# Allegro board reComputer J202_V1.0.brd (continued)
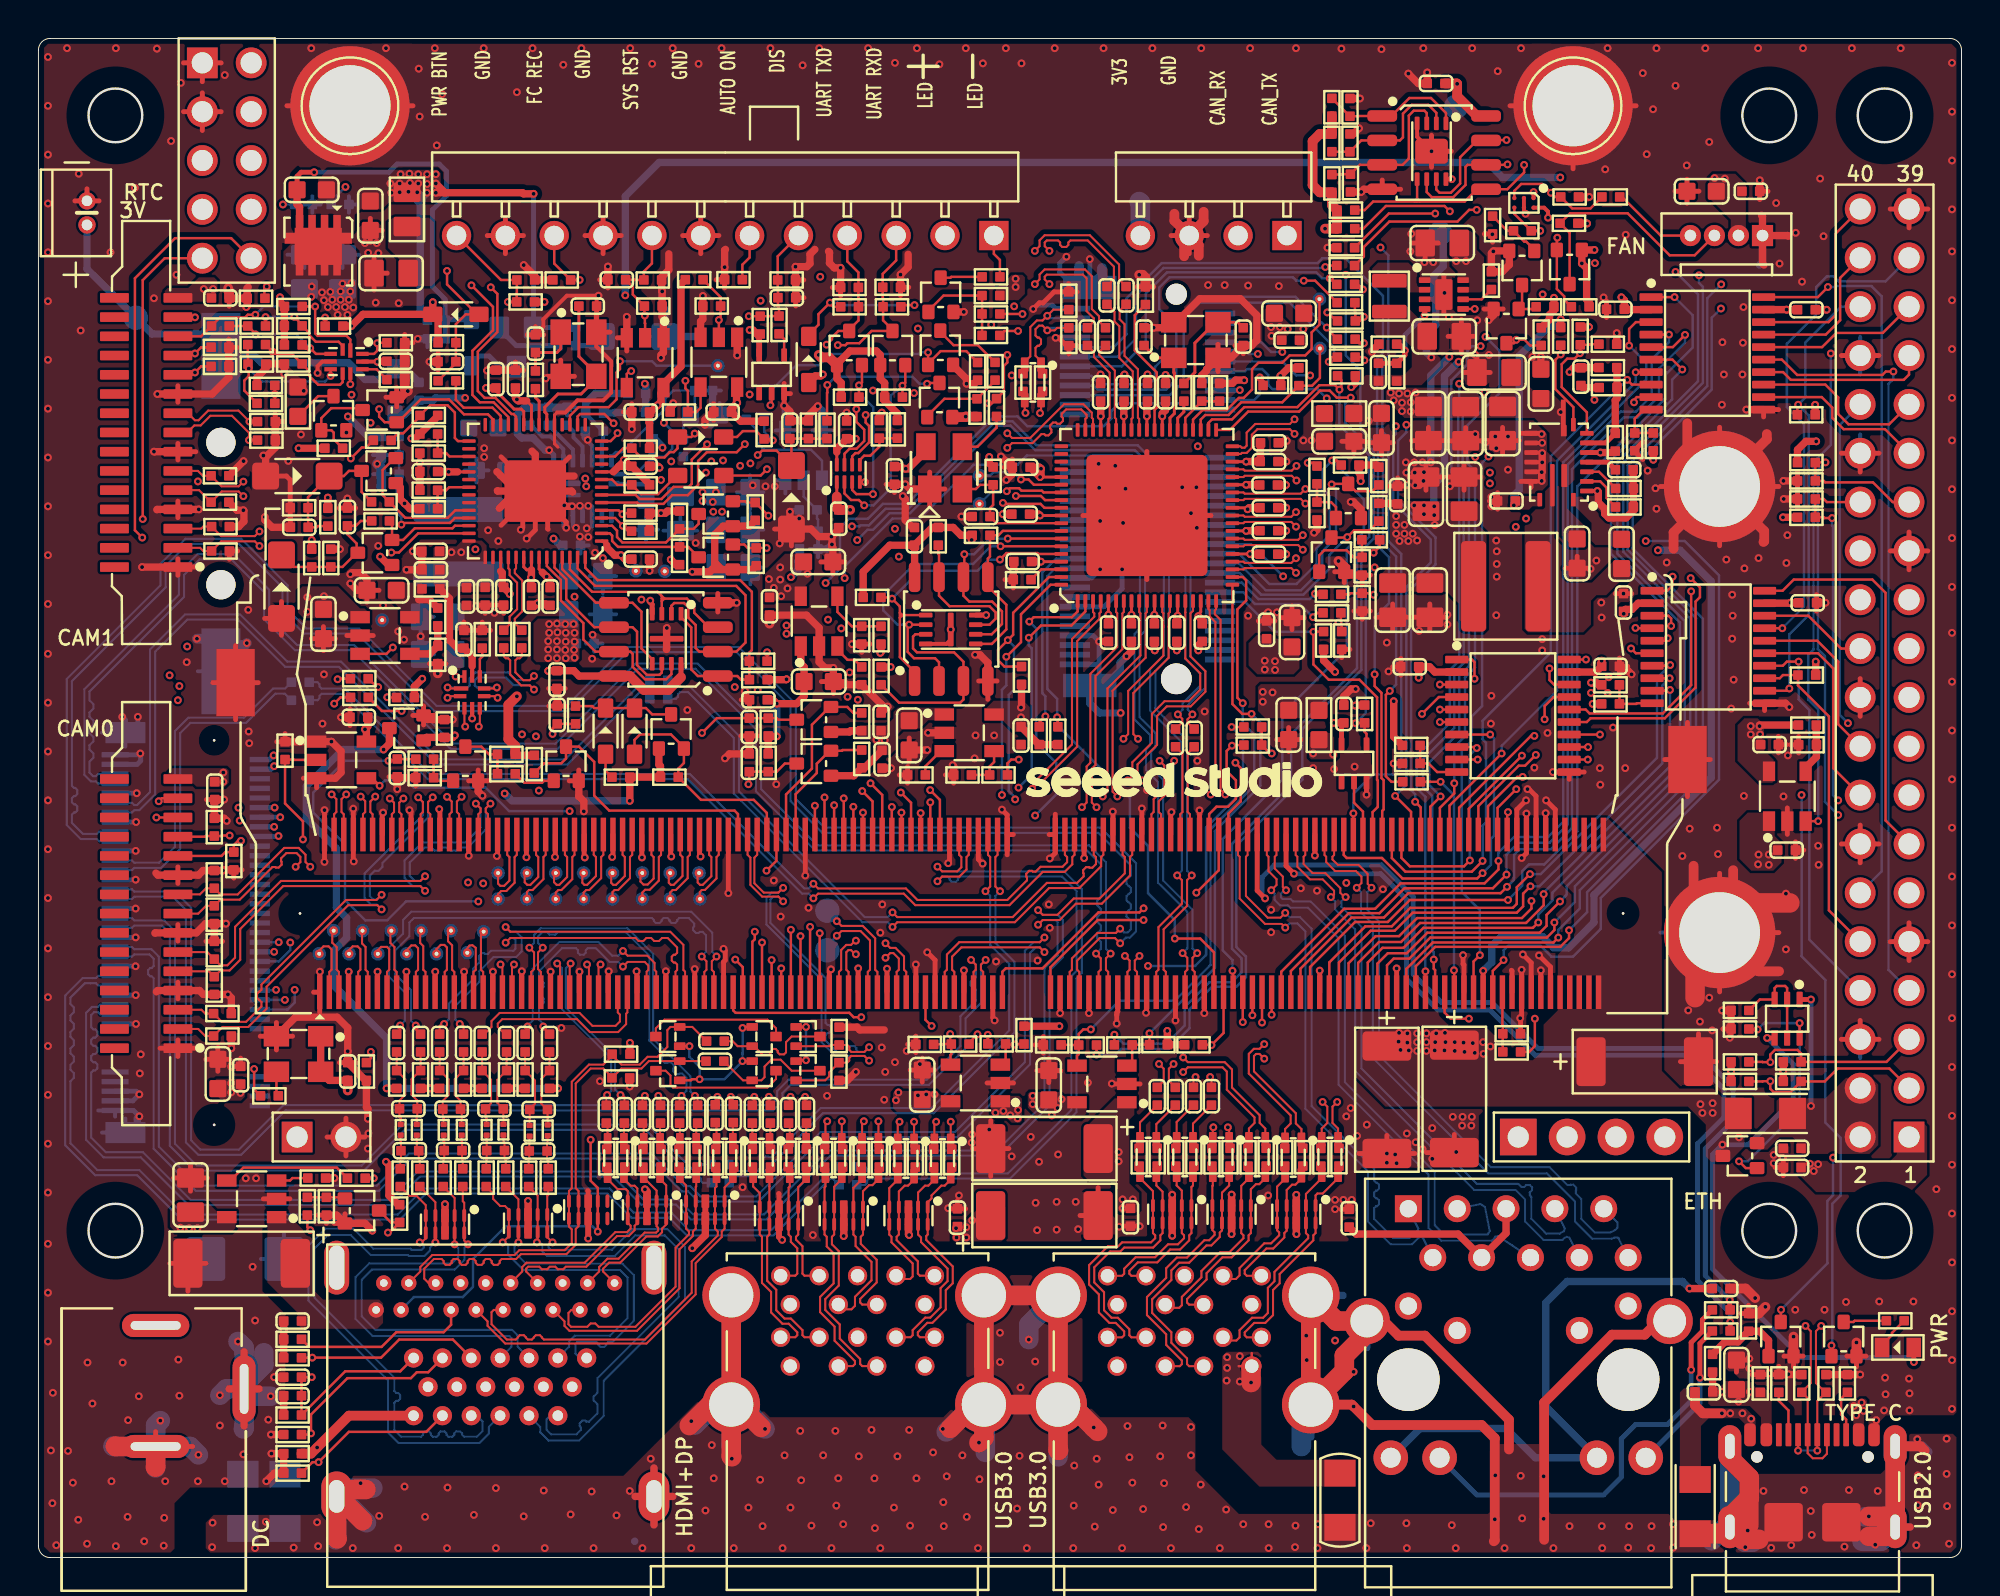
[diagram p0: board, top side]
## Routing (per net, layer and track width the routed paths; a pad name or vN(x,y) marks a point on that pad's centre or on a via; arc(x,y) is an arc through that point) (continued)
  TOP w0.508: 85.03,52.46 85.03,53.31 MH4.1 ; C3.2 86.14,7.91 86.55,7.5 v1(87.54,7.5) ; 90.51,30.49 89.43,30.49 MH3.1 86.07,33.85 86.07,35.97 ; 60.59,69.98 60.59,69.5 J16.3 ; 88.12,33.2 88.12,35.75 ; 59.07,69.88 59.07,69.52 J16.3 ; v1(89.27,13.49) 88.77,13.99 C7.2 ; R200.2 C146.2 R186.2 19.05,60.81 19.19,60.66 v1(19.21,60.66) ; J16.3 59.58,68.49 59.58,67.67 ; J16.3 60.34,68.25 60.34,67.7 ; R225.2 57.56,66.56 57.42,66.71 v1(57.24,66.71) ; Q1.2 v1(91.26,11.49) ; Q19.2 67.9,51.52 v1(67.6,51.82) ; MH4.1 85.74,57.38 85.74,58.99 ; MH4.1 89.88,58.16 89.88,58.43 ; MH4.1 89.74,53.38 89.74,52.85 89.7,52.81 ; R118.2 v1(20.76,45.98) ; v1(9.87,66.02) 9.87,65.89 9.92,65.84 C158.2 ; Q2.2 v1(94.54,11.18) ; R7.2 89.46,12.69 v1(89.8,13.04) ; C89.2 v1(38.02,48.57)
  TOP w1.016: 86.14,29.12 86.14,31.22 MH3.1 88.96,34.04 91.07,34.04 ; 4,5.8 4.02,5.77 J2.2 6.09,4.72 6.08,4.71 ; J3.4 63.05,9.91 v1(63.05,9.1)
  GND02 w0.381: 3.62,70.49 3.56,70.55 J14.1 ; 2.55,71.43 2.52,71.4 J14.1 ; J14.1 1.75,70.55 1.66,70.47
  GND02 w0.508: J13.1 90.38,68.75 ; J13.1 89.65,68.02 ; J13.1 89.65,69.48 ; 17.96,13.7 J5.B19 ; J5.B19 18.54,14.28 ; J5.B19 17.96,14.86 ; J5.B19 17.38,14.28 ; 25.58,8.88 J5.A5 ; J5.A5 26.94,8.88 ; J5.A5 26.26,8.2 ; J5.A5 26.26,9.56 ; J10.20 94.73,45.71 ; J10.20 93.75,44.73 ; J10.20 95.71,44.73 ; J10.20 94.73,43.75 ; 97.27,51.37 J10.25 ; J10.25 97.27,53.33 ; J10.25 98.25,52.35 ; J10.25 96.29,52.35 ; J17.3 9.5,75.19 ; J17.3 8.52,74.21 ; J17.3 7.54,75.19 ; J17.3 8.52,76.17 ; 59.59,13.97 J3.16 ; J3.16 58.91,14.65 ; J3.16 59.59,15.33 ; J3.16 60.27,14.65 ; 45.42,13.16 J4.13 ; J4.13 46.77,13.16 ; J4.13 46.09,13.84 ; J4.13 46.09,12.48 ; 6.09,5 J2.2 ; J2.2 4.17,5.77 ; J2.2 6.09,6.55 ; J2.2 8.02,5.77 ; J16.3 60.78,68.75 ; J16.3 59.84,69.69 ; J16.3 58.9,68.75 ; J16.3 59.84,67.81 ; 33.5,68.75 J15.7 ; J15.7 35.38,68.75 ; J15.7 34.44,69.69 ; J15.7 34.44,67.81 ; J17.1 9.5,77.73 ; J17.1 8.52,76.75 ; J17.1 7.54,77.73 ; J5.B11 23.26,14.86 ; J5.B11 23.84,14.28 ; J5.B11 23.26,13.7 ; J5.B11 22.68,14.28 ; 26.68,14.28 J5.B5 ; J5.B5 27.26,14.86 ; J5.B5 27.84,14.28 ; J5.B5 27.26,13.7 ; 84.34,55.7 MH4.1 ; MH4.1 87.42,58.78 ; MH4.1 87.42,52.62 ; MH4.1 90.5,55.7 ; 28.88,12.88 J5.B2 ; J5.B2 30.04,12.88 ; J5.B2 29.46,12.3 ; J5.B2 29.46,13.46 ; J3.13 63.77,13.15 ; J3.13 63.09,13.83 ; J3.13 63.09,12.47 ; J3.13 62.41,13.15 ; J10.39 97.27,71.11 ; J10.39 97.27,69.15 ; J10.39 96.29,70.13 ; J10.39 98.25,70.13 ; J10.6 94.73,27.93 ; J10.6 94.73,25.97 ; J10.6 93.75,26.95 ; J10.6 95.71,26.95 ; 84.34,32.5 MH3.1 ; MH3.1 90.5,32.5 ; MH3.1 87.42,35.58 ; MH3.1 87.42,29.42 ; 27.76,8.2 J5.A2 ; J5.A2 27.08,8.88 ; J5.A2 28.44,8.88 ; J5.A2 27.76,9.56 ; J4.7 42.59,12.14 ; J4.7 41.92,11.46 ; J4.7 43.27,11.46 ; J4.7 42.59,10.78 ; J10.9 98.25,32.03 ; J10.9 97.27,33.01 ; J10.9 96.29,32.03 ; J10.9 97.27,31.05 ; 16.2,72.22 MH1.1 ; MH1.1 19.48,75.5 ; MH1.1 12.92,75.5 ; 24.88,12.88 J5.B8 ; J5.B8 25.46,12.3 ; J5.B8 25.46,13.46 ; J5.B8 26.04,12.88 ; 94.73,36.13 J10.14 ; J10.14 94.73,38.09 ; J10.14 93.75,37.11 ; J10.14 95.71,37.11 ; 29.36,67.81 J15.9 ; J15.9 29.36,69.69 ; J15.9 30.3,68.75 ; J15.9 28.42,68.75 ; J3.7 60.27,11.45 ; J3.7 59.59,10.77 ; J3.7 59.59,12.13 ; J3.7 58.91,11.45 ; J10.34 95.71,62.51 ; J10.34 94.73,63.49 ; J10.34 94.73,61.53 ; 20.26,8.2 J5.A17 ; J5.A17 20.26,9.56 ; J5.A17 20.94,8.88 ; J5.A17 19.58,8.88 ; 79.8,72.22 MH2.1 ; MH2.1 83.08,75.5 ; MH2.1 76.52,75.5 ; J7.2 15.99,22.85 ; J7.2 15.99,20.89 ; J7.2 15.01,21.87 ; J7.2 16.97,21.87 ; J5.A8 24.76,9.56 ; J5.A8 25.44,8.88 ; J5.A8 24.76,8.2 ; J5.A8 24.08,8.88 ; 9.91,8.77 J2.3 ; J2.3 10.69,6.84 ; J2.3 11.47,8.77 ; J2.3 10.69,10.7 ; J15.11 24.28,69.69 ; J15.11 23.34,68.75 ; J15.11 25.22,68.75 ; J15.11 24.28,67.81 ; 45.42,9.96 J4.4 ; J4.4 46.09,9.28 ; J4.4 46.09,10.64 ; J4.4 46.77,9.96 ; J10.30 94.73,58.41 ; J10.30 93.75,57.43 ; J10.30 95.71,57.43 ; J10.30 94.73,56.45 ; 19.58,12.88 J5.B16 ; J5.B16 20.16,12.3 ; J5.B16 20.16,13.46 ; J5.B16 20.74,12.88 ; J4.16 42.59,15.34 ; J4.16 42.59,13.98 ; J4.16 41.92,14.66 ; J4.16 43.27,14.66 ; J5.A11 23.94,8.88 ; J5.A11 23.26,8.2 ; J5.A11 22.58,8.88 ; J5.A11 23.26,9.56 ; J3.4 63.09,10.63 ; J3.4 62.41,9.95 ; J3.4 63.77,9.95 ; J3.4 63.09,9.27
  LAY3 w0.127: J7.2 16.97,21.87 ; J7.2 15.01,21.87 ; J7.2 15.99,22.85 ; J7.2 15.99,20.89 ; 59.84,67.81 J16.3 ; J16.3 60.78,68.75 ; J16.3 58.9,68.75
  LAY3 w0.381: MH3.1 87.42,35.58 ; MH3.1 84.34,32.5 ; MH3.1 87.42,29.42 ; MH3.1 90.5,32.5 ; J10.6 94.73,27.93 ; J10.6 94.73,25.97 ; J10.6 95.71,26.95 ; J10.6 93.75,26.95 ; 8.52,74.21 J17.3 ; J17.3 8.52,76.17 ; J17.3 7.54,75.19 ; J17.3 9.5,75.19 ; 6.09,5 J2.2 ; J2.2 8.02,5.77 ; J2.2 4.17,5.77 ; J2.2 6.09,6.55 ; 7.54,77.73 J17.1 ; J17.1 8.52,76.75 ; J17.1 9.5,77.73 ; 94.73,36.13 J10.14 ; J10.14 93.75,37.11 ; J10.14 94.73,38.09 ; J10.14 95.71,37.11 ; 87.42,52.62 MH4.1 84.34,55.7 ; 19.48,75.5 MH1.1 12.92,75.5 ; MH2.1 83.08,75.5 ; MH2.1 76.52,75.5 ; MH2.1 79.8,72.22 ; 9.91,8.77 J2.3 ; J2.3 10.69,6.84 ; J2.3 11.47,8.77 ; J10.25 98.25,52.35 ; J10.25 97.27,53.33 ; J10.25 97.27,51.37 ; J10.39 98.25,70.13 ; J10.39 97.27,71.11 ; J10.39 97.27,69.15 ; J10.39 96.29,70.13 ; 97.27,31.05 J10.9 ; J10.9 96.29,32.03 ; J10.9 97.27,33.01 ; J10.9 98.25,32.03 ; 89.65,69.48 J13.1 90.38,68.75
  LAY3 w1.016: 86.07,52.08 86.07,54.35 MH4.1 89.17,53.95 89.17,52.59
  LAY4 w0.381: v1(76.42,56.57) 77.52,55.47 v1(81.06,55.47) ; v1(26.56,57.59) 26.53,57.59 26.12,57.18 26.12,52.92 26.57,52.47 27.77,52.47 28.16,52.85 ; v1(73.37,62.44) 73.33,62.4 73.33,61.97 73.63,61.67 73.99,61.67 74.52,61.13 80.01,61.13 81.01,62.14 83.26,62.14 83.78,61.62 83.78,59.32 81.93,57.47 v1(81.22,57.47) ; v1(28.16,53.09) 28.16,52.85 ; 28.16,52.85 28.37,52.85 v1(28.59,53.07)
  LAY4 w0.508: 8.52,76.7 J17.1 ; J17.1 7.49,77.73 ; J17.1 9.55,77.73 ; MH4.1 87.42,58.83 ; MH4.1 90.55,55.7 ; MH4.1 87.42,52.57 ; MH4.1 84.29,55.7 ; 93.7,26.95 J10.6 ; J10.6 94.73,27.98 ; J10.6 95.76,26.95 ; J10.6 94.73,25.92 ; 6.09,4.95 J2.2 ; J2.2 4.11,5.77 ; J2.2 8.07,5.77 ; J2.2 6.09,6.6 ; 97.27,51.32 J10.25 ; J10.25 98.3,52.35 ; J10.25 97.27,53.38 ; J10.25 96.24,52.35 ; J15.11 24.28,69.74 ; J15.11 25.27,68.75 ; J15.11 24.28,67.76 ; J15.11 23.29,68.75 ; 89.65,67.97 J13.1 ; J13.1 89.65,69.53 ; J13.1 90.43,68.75 ; J17.3 9.55,75.19 ; J17.3 8.52,76.22 ; J17.3 8.52,74.16 ; J17.3 7.49,75.19 ; 93.7,57.43 J10.30 ; J10.30 94.73,58.46 ; J10.30 95.76,57.43 ; J10.30 94.73,56.4 ; 10.69,6.79 J2.3 ; J2.3 11.52,8.77 ; J2.3 10.69,10.75 ; J2.3 9.86,8.77 ; 33.45,68.75 J15.7 ; J15.7 35.43,68.75 ; J15.7 34.44,69.74 ; J10.9 97.27,33.06 ; J10.9 97.27,31 ; J10.9 98.3,32.03 ; J10.9 96.24,32.03 ; 58.85,68.75 J16.3 60.83,68.75 ; J15.9 30.35,68.75 ; J15.9 28.37,68.75 ; J15.9 29.36,69.74 ; 15.99,20.84 J7.2 ; J7.2 15.99,22.9 ; J7.2 17.02,21.87 ; J7.2 14.96,21.87 ; 94.73,43.7 J10.20 ; J10.20 93.7,44.73 ; J10.20 95.76,44.73 ; 97.27,69.1 J10.39 ; J10.39 96.24,70.13 ; J10.39 98.3,70.13 ; J10.39 97.27,71.16 ; J10.14 94.73,38.14 ; J10.14 94.73,36.08 ; J10.14 93.7,37.11 ; 79.8,72.17 MH2.1 ; MH2.1 83.13,75.5 ; MH2.1 76.47,75.5 ; 16.2,72.17 MH1.1 ; MH1.1 12.87,75.5 ; MH1.1 19.53,75.5 ; 1.84,70.55 J14.1 ; J14.1 2.52,71.23 ; J14.1 3.2,70.55 ; 87.42,29.37 MH3.1 ; MH3.1 84.29,32.5 ; MH3.1 90.55,32.5 ; MH3.1 87.42,35.63 ; J10.34 94.73,63.54 ; J10.34 95.76,62.51 ; J10.34 94.73,61.48
  PWR05 w0.127: 63.09,9.27 J3.4 ; J3.4 62.41,9.95 ; J3.4 63.09,10.63 ; J3.4 63.77,9.95 ; 59.59,13.97 J3.16 ; J3.16 60.27,14.65 ; J3.16 58.91,14.65 ; J3.16 59.59,15.33 ; J4.16 43.27,14.66 ; J4.16 42.59,15.34 ; J4.16 42.59,13.98 ; J4.16 41.92,14.66 ; 17.96,13.7 J5.B19 ; J5.B19 18.54,14.28 ; J5.B19 17.96,14.86 ; J5.B19 17.38,14.28 ; 20.26,8.2 J5.A17 ; J5.A17 20.94,8.88 ; J5.A17 19.58,8.88 ; J5.A17 20.26,9.56 ; J5.A5 26.26,9.56 ; J5.A5 26.26,8.2 ; J5.A5 25.58,8.88 ; J5.A5 26.94,8.88 ; J4.7 43.27,11.46 ; J4.7 42.59,10.78 ; J4.7 42.59,12.14 ; J4.7 41.92,11.46 ; J5.B5 27.26,14.86 ; J5.B5 27.26,13.7 ; J5.B5 27.84,14.28 ; J5.B5 26.68,14.28 ; 29.46,12.3 J5.B2 ; J5.B2 30.04,12.88 ; J5.B2 29.46,13.46 ; J5.B2 28.88,12.88 ; 9.91,8.77 J2.3 ; J2.3 10.69,10.7 ; J2.3 10.69,6.84 ; J2.3 11.47,8.77 ; 24.76,8.2 J5.A8 ; J5.A8 25.44,8.88 ; J5.A8 24.08,8.88 ; J5.A8 24.76,9.56 ; J3.13 63.77,13.15 ; J3.13 63.09,13.83 ; J3.13 62.41,13.15 ; J3.13 63.09,12.47 ; J4.4 46.77,9.96 ; J4.4 45.42,9.96 ; J4.4 46.09,9.28 ; J4.4 46.09,10.64 ; J2.2 8.02,5.77 ; J2.2 6.09,5 ; J2.2 4.17,5.77 ; J2.2 6.09,6.55 ; 22.68,14.28 J5.B11 ; J5.B11 23.26,13.7 ; J5.B11 23.84,14.28 ; J5.B11 23.26,14.86 ; 58.91,11.45 J3.7 ; J3.7 60.27,11.45 ; J3.7 59.59,12.13 ; J3.7 59.59,10.77 ; J5.A11 23.26,9.56 ; J5.A11 23.94,8.88 ; J5.A11 22.58,8.88 ; J5.A11 23.26,8.2 ; 24.88,12.88 J5.B8 ; J5.B8 25.46,13.46 ; J5.B8 25.46,12.3 ; J5.B8 26.04,12.88 ; 27.76,8.2 J5.A2 ; J5.A2 27.76,9.56 ; J5.A2 27.08,8.88 ; J5.A2 28.44,8.88 ; J5.B16 20.16,13.46 ; J5.B16 20.74,12.88 ; J5.B16 19.58,12.88 ; J5.B16 20.16,12.3 ; J4.13 46.77,13.16 ; J4.13 46.09,13.84 ; J4.13 46.09,12.48 ; J4.13 45.42,13.16
  PWR05 w0.254: v1(28.56,58.12) 28.56,59.9 29.2,60.54 33.13,60.54 33.44,60.23 33.44,59.27 33.16,58.99 33.16,57.44 33.44,57.16 33.44,54.54 31.74,52.84 30.21,52.84 29.73,52.36 29.73,52.36 v1(29.35,51.98)
  PWR05 w0.381: 8.52,76.75 J17.1 ; J17.1 9.5,77.73 ; J17.1 7.54,77.73 ; 76.52,75.5 MH2.1 83.08,75.5 ; MH1.1 19.57,75.5 19.57,75.5 ; MH1.1 16.2,72.22 ; MH1.1 12.78,75.5 12.74,75.55 ; 23.34,68.75 J15.11 ; J15.11 24.28,67.81 ; J15.11 24.28,69.69 ; 7.54,75.19 J17.3 ; J17.3 8.52,76.17 ; J17.3 8.52,74.21 ; J17.3 9.5,75.19
  BOTTOM w0.127: 12.21,4.33 v1(11.85,3.97) ; 10.05,4.33 v1(9.69,3.97)
  BOTTOM w0.203: 36.32,55.4 C185.2 ; C185.2 37.01,56.28 ; C185.2 37.69,55.4 ; C185.2 37.01,54.52 ; 34.44,67.81 J15.7 ; J15.7 35.38,68.75 ; J15.7 33.5,68.75 ; J15.7 34.44,69.69 ; 4.52,22.83 J18.77 3.3,22.1 ; 38.84,55.34 U43.3 ; U43.3 38.84,56.71 ; U43.3 38.34,56.03 ; 39.13,54.48 C187.2 39.56,54.05 ; J10.9 98.25,32.03 ; J10.9 97.27,33.01 ; J10.9 97.27,31.05 ; 19.87,48.05 C180.2 ; C180.2 19.87,49.8 ; C180.2 19.19,48.93 ; C180.2 20.56,48.93 ; C196.2 37.71,51.49 ; C196.2 36.33,51.49 ; C196.2 37.02,52.37 ; C196.2 37.02,50.62 ; 22.15,56.54 C188.2 ; C188.2 23.4,56.54 ; C188.2 22.78,55.92 ; C188.2 22.78,57.16 ; MH3.1 87.42,35.58 ; MH3.1 84.34,32.5 ; MH3.1 87.42,29.42 ; MH3.1 90.5,32.5 ; 40.74,57.93 U43.5 ; U43.5 41.24,58.62 ; U43.5 40.25,58.62 ; 12.92,75.5 MH1.1 19.48,75.5 ; 8.52,74.21 J17.3 ; J17.3 7.54,75.19 ; J17.3 9.5,75.19 ; J17.3 8.52,76.17 ; 4.52,42.17 J18.76 3.3,42.9 ; J7.2 16.97,21.87 ; J7.2 15.01,21.87 ; J7.2 15.99,20.89 ; J7.2 15.99,22.85 ; 40.11,52.45 R246.2 ; R246.2 40.54,52.88 ; R246.2 40.54,52.02 ; 28.66,49.06 C181.2 ; C181.2 30.04,49.06 ; C181.2 29.35,49.93 ; C181.2 29.35,48.18 ; 13.81,70.37 D55.1 ; D55.1 14.67,70.37 ; D55.1 14.24,70.79 ; D55.1 14.24,69.94 ; J14.1 2.52,71.18 ; J14.1 3.15,70.55 ; J14.1 1.89,70.55 ; J10.6 94.73,27.93 ; J10.6 95.71,26.95 ; J10.6 94.73,25.97 ; J10.6 93.75,26.95 ; C179.2 29.33,47.53 ; C179.2 28.9,47.1 ; C179.2 28.9,47.96 ; C179.2 28.47,47.53 ; 17.83,56.67 17.83,56.77 ; 28.79,53.61 U42.12 28.79,54.67 ; C183.2 28.19,53.07 ; C183.2 28.19,52.21 ; C183.2 28.62,52.64 ; 94.73,36.13 J10.14 ; J10.14 93.75,37.11 ; J10.14 94.73,38.09 ; 87.42,52.62 MH4.1 ; MH4.1 84.34,55.7 ; MH4.1 87.42,58.78 ; MH4.1 90.5,55.7 ; C191.2 35.42,60.04 ; C191.2 34.8,59.42 ; C191.2 36.04,59.42 ; v1(28.16,54.69) 28.29,54.56 U42.13 ; 12.94,4.33 C169.1 12.21,4.33 ; 8.52,76.75 J17.1 ; J17.1 7.54,77.73 ; J17.1 9.5,77.73 ; J10.25 98.25,52.35 ; J10.25 97.27,53.33 ; J10.25 97.27,51.37 ; 10.68,46.09 J19.1 8.29,46.09 ; 94.73,56.45 J10.30 94.73,58.41 ; 96.29,70.13 J10.39 ; J10.39 97.27,69.15 ; J10.39 97.27,71.11 ; J10.39 98.25,70.13 ; 20.65,63.38 R258.2 20.22,62.95 ; 39.33,58.62 U43.4 38.34,58.62 ; C195.2 14.71,67.75 ; C195.2 12.95,67.75 ; C195.2 13.83,68.44 ; C195.2 13.83,67.06 ; C182.2 30.04,51.04 ; C182.2 28.66,51.04 ; C182.2 29.35,51.91 ; C182.2 29.35,50.16 ; 17.4,57.33 R263.2 ; R263.2 17.83,57.76 ; R263.2 18.26,57.33 ; C184.2 32.22,53.46 ; C184.2 30.97,53.46 ; C184.2 31.59,54.08 ; C184.2 31.59,52.83 ; U42.5 28.79,57.81 28.56,58.05 v1(28.56,58.12) ; 15.81,67.06 C194.2 ; C194.2 15.81,68.44 ; C194.2 16.69,67.75 ; C194.2 14.93,67.75 ; 36.32,53.45 C197.2 ; C197.2 37.69,53.45 ; C197.2 37.01,54.33 ; C197.2 37.01,52.57 ; C186.2 34.26,53.4 ; C186.2 33.38,54.09 ; C186.2 32.5,53.4 ; C186.2 33.38,52.72 ; 16.15,69.94 D54.1 ; D54.1 16.58,70.37 ; D54.1 16.15,70.79 ; 32.57,62.62 D53.1 31.7,63.5 ; 20.56,46.97 C178.2 19.19,46.97 ; J15.11 25.22,68.75 ; J15.11 24.28,69.69 ; J15.11 24.28,67.81 ; J15.11 23.34,68.75 ; 27.49,59.39 C190.2 27.92,59.82 ; 59.84,67.81 J16.3 ; J16.3 58.9,68.75 ; J16.3 60.78,68.75 ; U42.15 27.29,54.67 v1(27.34,54.72) ; U42.15 27.29,53.61 ; U42.15 26.99,54.14 ; D50.1 12.76,16.85 ; D50.1 11.57,15.53 ; D50.1 12.76,14.21 ; v1(27.75,54.67) 27.77,54.64 27.77,54.16 U42.14 ; U42.14 27.79,54.67 ; U42.14 27.79,53.61 ; 79.8,72.22 MH2.1 ; MH2.1 83.08,75.5 ; MH2.1 76.52,75.5 ; 28.42,68.75 J15.9 ; J15.9 29.36,69.69 ; J15.9 29.36,67.81 ; 94.73,45.71 J10.20 94.73,43.75 ; 3.11,23.25 J18.75 3.99,22.93 ; 35.48,60.69 R256.2 34.63,60.69 ; 10.05,4.33 R245.1 10.76,4.33 ; 7.88,5.77 8.02,5.77 ; 90.38,68.75 J13.1 89.65,69.48 ; 18.26,56.34 C200.2 17.4,56.34 ; 94.73,61.53 J10.34 ; J10.34 94.73,63.49 ; J10.34 93.75,62.51
  BOTTOM w0.254: v1(55.21,53.91) 55.16,53.95 J20.45 ; J20.1 52.9,64.95 52.72,65.13 51.93,65.13 v1(51.73,64.93) ; J18.27 v1(5.05,35.25) ; v1(5.24,22.94) 4.94,23.25 J18.75 ; J18.9 v1(5.11,39.75) ; J18.45 v1(5.05,30.75) ; v1(56.35,51.39) 56.35,50.39 55.41,49.45 J20.63 ; J20.57 54.76,50.95 v1(55.21,51.39) 55.21,52.1 54.86,52.45 J20.51 ; v1(54.67,67.52) J20.76 53.89,66.05 53.11,66.84 53.11,67.3 v1(53.45,67.65) ; J20.69 54.84,47.95 v1(55.16,47.64) 55.16,46.52 ; J18.1 5.23,41.75 v1(5.3,41.82) 5.32,41.8 5.32,41.43 5.14,41.25 J18.3 ; 55.16,46.52 55.16,45.84 J20.77 ; 55.16,46.52 55.08,46.45 J20.75 ; v1(26.56,57.59) 26.79,57.35 U42.1 ; J18.33 v1(5.05,33.75) ; v1(62.47,60.71) 62.46,60.7 J20.18 ; J20.7 52.91,63.45 v1(52.89,63.43) ; J20.39 54.97,55.45 v1(55.16,55.63) ; v1(4.36,43.72) 4.52,43.56 J18.76 4.88,42.9 5.17,43.19 v1(5.17,43.72) ; J18.21 v1(5.06,36.75) ; v1(55.13,56.88) 55.06,56.95 J20.33 ; J18.71 5.08,24.25 v1(5.24,24.09) 4.91,23.75 J18.73 ; J18.15 v1(5.08,38.25) ; J18.39 v1(5.06,32.25) ; J18.57 v1(5.07,27.75) ; J18.51 v1(5.06,29.25)
  BOTTOM w0.381: C190.2 R252.2 R251.2 25.28,59.82 24.9,59.44 24.9,58.45 25.13,58.22 25.72,58.22 26.35,57.59 v1(26.56,57.59) ; v1(56.27,43.92) 55.17,43.92 54.67,44.42 J20.77 55.46,45.35 56.25,46.13 56.25,46.54 v1(56.58,46.87) ; v1(34.66,58.91) 34.96,58.91 35.42,59.37 C191.2 35.06,59.78 R256.2 ; R250.2 28.44,58.25 v1(28.56,58.12) ; 89.5,67.22 89.65,67.37 J13.1 ; v1(73.37,62.44) 72.4,61.48 v1(72.4,56.95) ; 75.86,58 v1(75.25,58) ; v1(38.78,59.9) 38.84,59.84 U43.4 ; v1(56.53,55.58) 56.5,55.58 56.23,55.31 55.48,55.31 v1(55.16,55.63) ; v1(55.21,53.91) 55.73,53.91 55.83,53.8 v1(56.4,53.8) ; R246.2 41.02,52.45 v1(41.26,52.69) ; v1(55.13,56.88) 55.89,56.88 v1(55.99,56.78) ; J18.77 4.88,22.1 5.14,22.36 5.14,22.84 v1(5.24,22.94) ; U43.5 40.74,59.66 v1(40.53,59.88) ; R258.2 v1(19.72,63.38) ; 34.53,63.33 34.36,63.5 D53.1 32.57,64.92 32.43,65.06 v1(32.43,65.84) ; C178.2 v1(19.87,47.91)
  BOTTOM w0.508: 55.31,67.06 55.31,66.69 J20.76 54.11,66.6 54.11,67.16 ; v1(10.83,47.56) 10.73,47.45 10.07,47.45 9.49,46.87 ; 9.49,46.87 9.49,47.25 8.95,47.78 v1(8.24,47.78) ; 9.49,46.87 J19.1 ; R263.2 17.83,57.09 v1(17.61,56.88) 17.83,56.67 C200.2 17.83,55.69 17.82,55.68
  BOTTOM w1.016: v1(6.34,7.12) 6.09,6.88 J2.2 ; J2.3 11.08,8.39 v1(12.08,8.39) ; J2.3 10.69,6.73 10.65,6.69 ; J2.3 9.77,8.77 v1(9.44,8.44) ; J2.3 10.69,9 ; J2.2 3.9,5.77 3.87,5.8 ; J2.2 7.88,5.77 v1(8.32,5.34) ; J2.2 6.09,4.66 ; v1(10.38,11.23) 10.69,10.92 10.69,9 ; 10.69,9 11.72,10.03 11.72,10.65
  vias: v1(0.49,78.04) v1(0.49,75.5) v1(0.49,72.96) v1(0.49,70.42) v1(0.49,67.88) v1(0.49,65.34) v1(0.49,62.29) v1(0.49,59.75) v1(0.49,57.21) v1(0.49,54.67) v1(0.49,52.13) v1(0.49,49.59) v1(0.49,47) v1(0.49,44.46) v1(0.49,41.92) v1(0.49,39.38) v1(0.49,36.84) v1(0.49,34.3) v1(0.49,31.68) v1(0.49,29.14) v1(0.49,26.6) v1(0.49,24.06) v1(0.49,21.52) v1(0.49,18.98) v1(0.49,16.31) v1(0.49,13.77) v1(0.49,11.23) v1(0.65,5.57) v1(0.75,8.57) v1(0.72,2.83) v1(0.93,0.64) v1(1.49,78.49) v1(1.54,5.54) v1(1.79,3.89) v1(2.09,71.97) v1(2.07,1.96) v1(2.2,63.81) v1(2.55,10.14) v1(2.53,0.72) v1(2.81,8.01) v1(3.75,67.88) v1(3.8,3.97) v1(4.03,78.49) v1(4.03,0.59) v1(4.38,10.14) v1(4.66,7.14) v1(4.63,2.12) v1(5.02,71.23) v1(5.27,25.18) v1(5.22,8.39) v1(5.32,26.17) v1(5.5,0.85) v1(6.01,65.49) v1(6.16,78.47) v1(6.51,0.62) v1(6.59,3.97) v1(6.54,2.06) v1(6.9,73.67) v1(7.17,66.71) v1(7.28,10.29) v1(7.4,76.69) v1(7.33,8.41) v1(7.71,46.57) v1(8.29,3.97) v1(9.44,6.87) v1(9.69,77.1) v1(10.02,25.53) v1(10.65,5.37) v1(10.78,19.72) v1(10.91,49.28) v1(10.93,42.96) v1(10.96,42.35) v1(11.14,15.12) v1(11.32,19.72) v1(11.26,12.33) v1(11.95,7.17) v1(12.99,57.03) v1(13.65,58.4) v1(14.19,78.49) v1(14.77,43.37) v1(14.85,45.93) v1(16.01,58.5) v1(16.98,68.36) v1(17.14,67.85) v1(17.16,22.05) v1(17.13,21.27) v1(17.59,68.36) v1(17.54,65.26) v1(17.68,67.83) v1(17.67,52.61) v1(17.92,49.51) v1(18.07,78.49) v1(18.71,48.17) v1(18.73,65.23) v1(19.01,47.73) v1(19.77,77.43) v1(19.82,74.94) v1(20.61,78.49) v1(20.71,73.44) v1(20.99,76.11) v1(22.72,52.43) v1(22.77,49.49) v1(23.15,78.49) v1(23.18,57.69) v1(23.18,57.23) v1(23.38,53.42) v1(23.71,49.13) v1(23.91,52.86) v1(24.88,76.21) v1(25.69,78.49) v1(27.19,27.54) v1(27.29,77.63) v1(27.95,53.55) v1(28.23,78.49) v1(28.51,53.53) v1(28.59,54.69) v1(28.82,47.99) v1(28.79,46.74) v1(28.94,52.26) v1(29.2,24.77) v1(30.77,78.49) v1(31.36,49.82) v1(31.91,77.68) v1(32.98,78.49) v1(33.74,44.08) v1(34.18,52.76) v1(34.33,77.68) v1(35.52,78.49) v1(36.61,19.26) v1(37.15,55.76) v1(37.81,55.71) v1(38.06,78.49) v1(38.29,55.71) v1(38.24,35.21) v1(38.37,40.22) v1(38.54,52.74) v1(38.59,33.33) v1(39.56,54.03) v1(39.74,77.6) v1(40.04,33.79) v1(40.27,16.77) v1(40.6,78.49) v1(41.01,24.01) v1(43.14,78.49) v1(43.78,32.49) v1(43.88,33.97) v1(43.85,26.52) v1(43.98,23.81) v1(44.03,25.25) v1(44.54,77.73) v1(44.54,25.76) v1(45.15,26.35) v1(45.68,78.49) v1(45.83,25.66) v1(46.85,77.66) v1(47.31,18.17) v1(47.87,18.83) v1(48.22,78.49) v1(48.55,22) v1(48.53,21.57) v1(48.68,41.56) v1(48.73,42.76) v1(49.11,77.71) v1(49.44,22.26) v1(49.69,42.76) v1(49.8,31) v1(50.3,78.49) v1(50.61,20.86) v1(51.12,77.71) v1(51.6,21.88) v1(51.85,18.45) v1(51.96,31.05) v1(51.93,17.03) v1(52.03,20.58) v1(52.54,33.97) v1(52.59,32.75) v1(52.84,78.49) v1(52.95,18.5) v1(52.95,17.05) v1(53.02,20.96) v1(53.94,18.5) v1(54.06,17.08) v1(54.57,24.7) v1(55.38,78.49) v1(55.82,24.65) v1(56.2,17.2) v1(57.26,17.23) v1(57.64,39.91) v1(57.92,78.49) v1(59.47,55.66) v1(59.93,54.31) v1(60.21,55.66) v1(60.24,53.55) v1(60.26,41.43) v1(60.46,78.49) v1(60.64,44) v1(60.82,66.17) v1(61.68,66.17) v1(61.81,10.42) v1(61.81,9.86) v1(61.78,9.2) v1(62.47,10.47) v1(62.47,9.15) v1(62.9,66.15) v1(62.9,48.98) v1(63,78.49) v1(63.94,18.83) v1(64.05,40.83) v1(64.1,33.69) v1(64.1,32.52) v1(64.4,49.16) v1(64.5,66.12) v1(65.39,78.49) v1(65.65,34.81) v1(65.77,63.89) v1(66.28,41.05) v1(66.48,34.68) v1(67.37,41) v1(67.42,18.6) v1(67.42,18.12) v1(67.75,78.47) v1(67.86,18.6) v1(68.01,35.08) v1(68.01,22.94) v1(68.24,23.38) v1(68.29,18.6) v1(68.44,41.13) v1(68.57,21.93) v1(69.07,22.51) v1(69.84,78.44) v1(69.91,34.75) v1(70.12,47.58) v1(70.12,20.53) v1(70.21,46.08) v1(70.55,20.96) v1(70.62,20.51) v1(71.11,56.95) v1(71.13,56.42) v1(71.16,55.79) v1(71.16,22.05) v1(71.39,68.84) v1(71.34,67.93) v1(71.54,56.95) v1(71.61,21.6) v1(71.79,48.19) v1(72.01,78.49) v1(71.97,56.95) v1(71.97,21.24) v1(72.07,67.37) v1(72.05,56.45) v1(72.48,22.33) v1(72.48,20.73) v1(72.53,67.37) v1(73.11,65.77) v1(73.27,49.03) v1(73.27,48.52) v1(73.34,64.51) v1(73.39,55.71) v1(73.55,22.92) v1(73.72,21.09) v1(74.05,22.92) v1(74.03,22.46) v1(74.51,22.46) v1(74.55,78.49) v1(74.54,22.92) v1(74.71,62.54) v1(74.71,58.43) v1(74.82,64.35) v1(75.42,62.54) v1(75.6,68.82) v1(75.55,55.15) v1(75.55,54.67) v1(75.55,44.81) v1(75.53,43.37) v1(75.75,58.3) v1(75.81,57.69) v1(75.81,52.89) v1(75.81,49) v1(75.88,77.3) v1(75.83,52.33) v1(75.83,51.67) v1(75.83,51.01) v1(76.42,58.3) v1(77.09,78.49) v1(77.69,62.44) v1(77.79,41.08) v1(78.17,58.43) v1(78.19,47.76) v1(78.19,47.18) v1(78.47,42.88) v1(80.71,51.42) v1(81.01,51.85) v1(81.19,41.05) v1(81.22,40.19) v1(81.27,49.66) v1(81.29,48.88) v1(81.39,65.53) v1(81.47,72.19) v1(81.6,78.49) v1(81.88,43.16) v1(82.51,41.05) v1(82.54,68.79) v1(83.43,77.2) v1(83.63,72.98) v1(83.68,56.52) v1(83.96,75.32) v1(84.09,55.61) v1(84.14,78.49) v1(84.14,54.54) v1(84.67,51.75) v1(85.13,76.54) v1(85.48,36.48) v1(85.71,72.4) v1(85.79,28.46) v1(85.86,37.9) v1(86.4,27.87) v1(86.68,78.49) v1(86.88,73.62) v1(86.88,29.12) v1(87.03,27.41) v1(87.29,37.95) v1(87.34,36.58) v1(87.57,63.2) v1(87.54,59.95) v1(87.64,61.53) v1(87.77,51.9) v1(87.95,27.03) v1(87.97,7.5) v1(88.07,50.07) v1(88.1,48.98) v1(88.07,47.78) v1(88.02,44.15) v1(88.15,45.65) v1(88.61,61.53) v1(88.61,7.5) v1(88.66,65.03) v1(88.63,63.18) v1(88.71,51.44) v1(88.68,39.61) v1(88.96,10.35) v1(88.96,9.84) v1(89.06,7.22) v1(89.42,78.49) v1(89.45,51.98) v1(90,9.58) v1(90.23,20.94) v1(90.23,20.51) v1(90.36,70.44) v1(90.54,67.29) v1(90.69,20.78) v1(90.74,39.58) v1(90.89,51.72) v1(90.87,34.53) v1(90.87,31.63) v1(90.94,53.17) v1(90.97,41.71) v1(90.99,9.53) v1(91.38,68.89) v1(91.35,12.89) v1(91.71,66.35) v1(91.76,78.49) v1(92.54,37.02) v1(92.57,36.02) v1(92.65,71.71) v1(92.82,68.71) v1(92.87,12.89) v1(93.99,13.29) v1(94.3,78.49) v1(95.56,7.14) v1(95.72,13.32) v1(95.97,7.65) v1(96.02,9.35) v1(96.05,8.49) v1(96.84,78.49) v1(97.27,9.3) v1(97.29,8.54) v1(97.29,7.65) v1(97.5,13.32) v1(98.69,19.16) v1(99.5,77.73) v1(99.5,75.19) v1(99.5,72.65) v1(99.5,70.11) v1(99.5,67.93) v1(99.5,65.39) v1(99.5,62.85) v1(99.5,60.31) v1(99.5,58.1) v1(99.5,55.56) v1(99.5,53.02) v1(99.5,50.48) v1(99.5,48.09) v1(99.5,45.55) v1(99.5,43.01) v1(99.5,40.47) v1(99.5,37.95) v1(99.5,35.41) v1(99.5,32.87) v1(99.5,30.33) v1(99.5,28.05) v1(99.5,25.51) v1(99.5,22.97) v1(99.5,20.43) v1(99.5,17.89) v1(99.5,15.35) v1(99.5,12.81) v1(99.5,10.27) v1(99.5,7.73)
